# Altium PCB PowerAMP_revision.PcbDoc (part 2 of 4)
Units mm, origin at the board's own origin, x right, y up, seen from the top; angles counter-clockwise.
Board outline 211.5 x 142.58 mm, 2 copper layers (Top Layer, Bottom Layer), stack 1.635 mm thick; 322 components, 226 nets, 1061 pads, 745 vias.
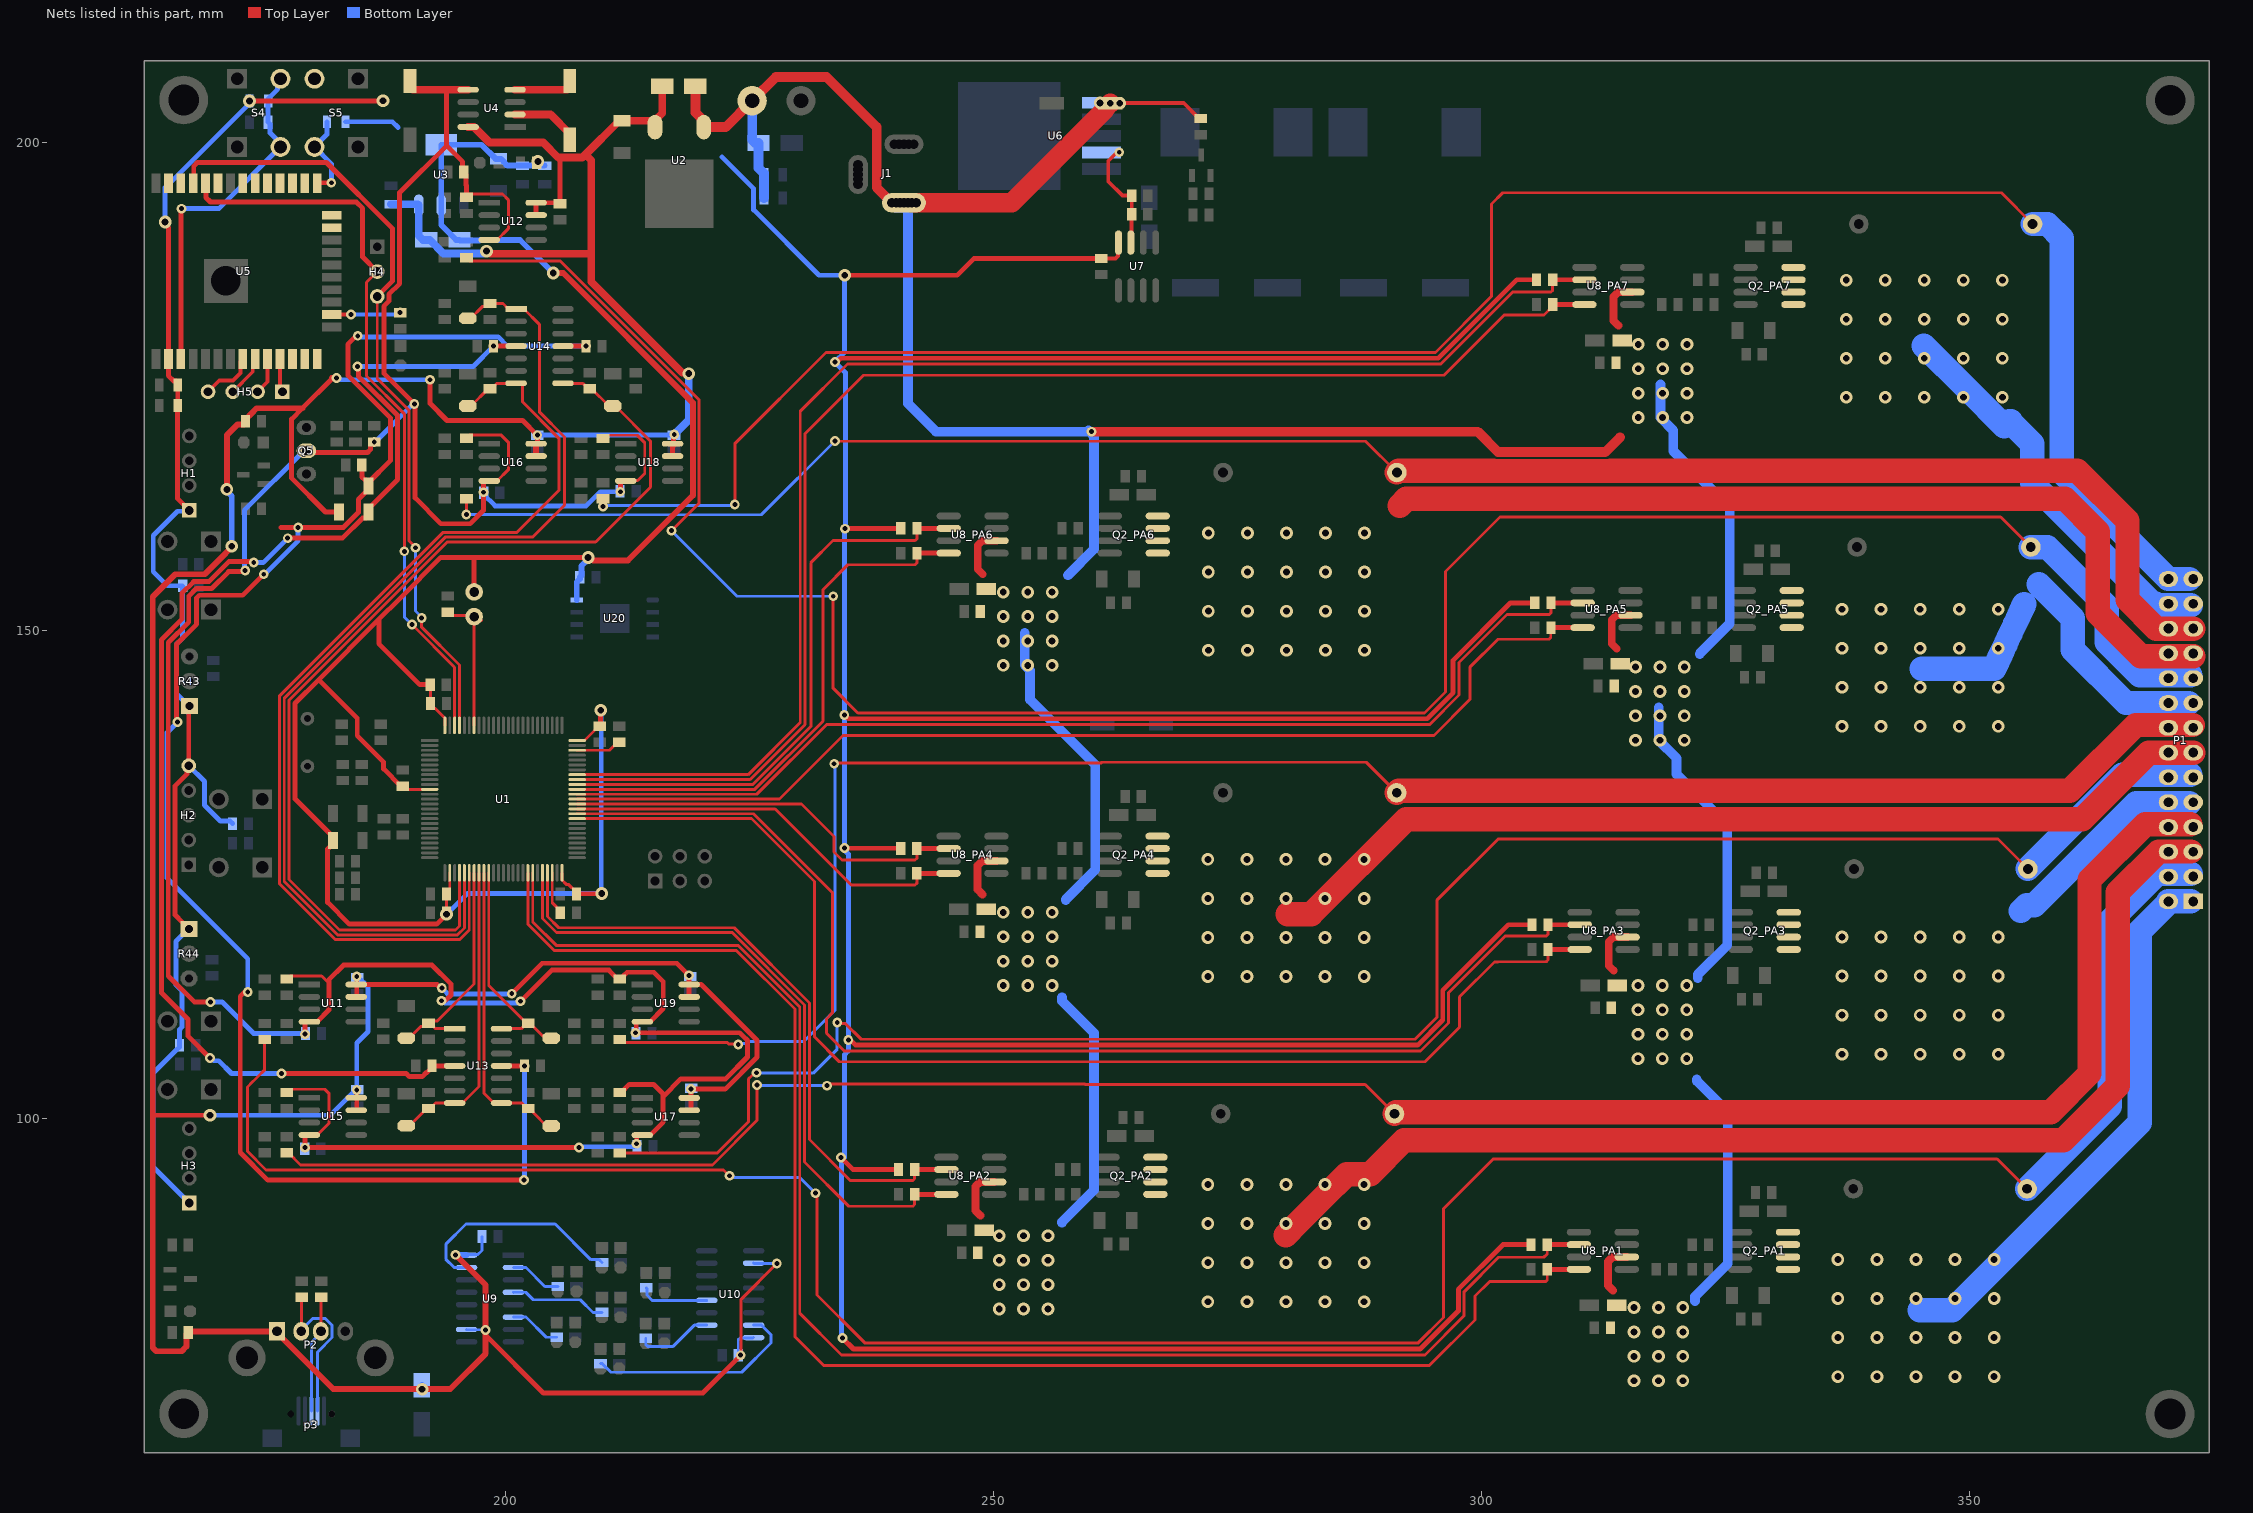
[diagram p2: the nets of this part, all layers, seen from the top]

## Via types
v1: diameter 1.3, hole 0.7, Top Layer to Bottom Layer, tented both sides, 464 vias
v2: diameter 1, hole 0.5, Top Layer to Bottom Layer, tented both sides, 264 vias
v3: diameter 1.27, hole 0.7, Top Layer to Bottom Layer, tented both sides, 17 vias

## Nets (pads, with @x,y where several pads share a name; then routed paths per layer and width w, separated by ;. In a path a pad name is that pad's centre, name@x,y a point inside that pad or via, vN(x,y) a via of type N, cw(c..) or ccw(c..) an arc to the next point about the centre after c; other vN are vias at no path point)
+3v3: C11.2 C14.2 C15.2 C16.2 C17.2 C24.2 C25.1 C50.1 C51.1 C53.2 C54.2 C57.2 D2.1 D26.2 H1.1 H2.5 H3.1 JP1.1 L4.1 R7.1 R9_PA1.1 R9_PA2.1 R9_PA3.1 R9_PA4.1 R9_PA5.1 R9_PA6.1 R9_PA7.1 R15.2 R41.1 R42.1 R43.1 R44.1 R47.1 R50.1 R66.2 U1.11 U1.27 U1.50 U1.75 U1.100 U3.2 U3.4 U5.2 U7.8 U20.8 | length 879
  Top Layer w0.3: C17.2@189.475,134.075 189.8,133.75 U1.11@192.25,133.75 ; C14.2@192.3,144.475 192.325,144.45 C25.1@192.325,142.55 192.325,142.375 192.65,142.05 192.8,142.05 193.8,141.05 U1.100@193.8,140.3 ; v1(193.975,120.95) C50.1@193.975,121.125 C15.2@193.975,123.025 194.3,123.35 U1.27@194.3,125.2 ; U1.50@205.8,125.2 205.8,124.45 206.225,124.025 206.45,124.025 207.275,123.2 C24.2@207.275,123.025 ; U1.75@207.35,138.75 208.1,138.75 209.175,139.825 209.175,139.9 209.5,140.225 C16.2@209.675,140.225
  Top Layer w0.4: C11.2@261.025,188.125 262.508,188.125 262.742,188.359 262.742,189.697 U7.8@262.795,189.75
  Top Layer w0.5: v1(165.15,191.85) 165.15,191.634 165.485,191.299 U5.2@165.485,177.825 165.485,176.115 166.025,175.575 166.25,175.575 166.45,175.375 C53.2@166.45,175.15 C54.2@166.45,173.075 166.425,173.05 166.425,163.52 H1.1@167.625,162.32 ; R44.1@167.6,119.455 167.537,119.455 166.961,120.03 166.961,120.094 166.175,120.88 166.175,134.1 167.384,135.309 167.384,135.979 H2.5@167.575,136.17 167.575,142.21 R43.1@167.65,142.285 ; v1(173.8,204.25) 173.812,204.262 187.463,204.262 v1(187.475,204.275) ; 189.19,153.29 187.05,151.15 ; 189.225,153.325 193.4,157.5 ; C17.2@189.475,134.075 189.3,134.075 187.534,135.841 187.534,136.534 184.825,139.243 184.825,141.05 180.887,144.988 ; C14.2@192.3,144.475 191.25,144.475 187.05,148.675 187.05,151.15 ; 193.45,157.5 196.9,157.5 ; v1(193.975,120.95) 192.975,119.95 184.027,119.95 181.8,122.177 181.8,127.637 182.34,128.177 L4.1@182.34,128.527 182.34,128.877 178.45,132.767 178.45,142.55 180.887,144.988 ; JP1.1@196.8,153.97 196.8,157.4 196.9,157.5 ; C24.2@207.275,123.025 207.3,123.05 209.85,123.05 v1(209.875,123.075) ; v1(208.475,157.5) 196.9,157.5 ; C16.2@209.675,140.225 209.725,140.275 209.725,141.8 v1(209.775,141.85) ; v2(233.75,177.515) 233.958,177.515 234.343,177.9 295.55,177.9 303.59,185.94 R9_PA7.1@305.618,185.94 ; v2(234.365,96.053) 235.611,94.807 R9_PA2.1@240.265,94.807 ; v2(234.525,77.55) 235.65,76.425 293.7,76.425 297.6,80.325 297.6,82.549 302.173,87.122 R9_PA1.1@305.055,87.122 ; v2(234.715,141.36) 234.758,141.36 235.143,140.975 294.399,140.975 297.075,143.651 297.075,146.975 302.949,152.849 R9_PA5.1@305.437,152.849 ; v2(234.74,127.75) 234.773,127.717 240.46,127.717 R9_PA4.1@240.493,127.684 ; v1(234.75,186.4) 246.283,186.4 248.008,188.125 C11.2@261.025,188.125 ; v2(234.79,160.45) 234.805,160.465 240.491,160.465 R9_PA6.1@240.507,160.481 ; v2(235.129,108.079) 235.337,108.079 235.865,107.55 293.425,107.55 296,110.125 296,113.175 302.71,119.885 R9_PA3.1@305.136,119.885 R9_PA3.1@305.106,119.855 ; 180.887,144.988 187.05,151.15
  Top Layer w0.6: R66.2@203.2,197.93 203.205,197.93 v1(203.325,198.05) ; v1(204.9,186.625) 205.922,186.625 219.2,173.347 219.2,163.85 212.55,157.2 v1@208.964,157.2
  Bottom Layer w0.5: v1(165.15,191.85) 165.15,195.375 173.8,204.025 v1(173.8,204.25) ; R43.1@167.361,141.646 167.361,141.709 167.936,142.285 R43.1@168.063,142.285 ; H2.5@167.575,136.17 169.187,134.558 169.187,132.135 170.825,130.497 171.825,130.497 172.05,130.272 R7.1@172.05,130.225 ; R44.1@167.6,119.455 167.537,119.455 166.261,118.179 166.261,113.717 166.868,113.11 166.868,109.384 166.625,109.141 R41.1@166.625,107.525 166.625,107.35 166.4,107.125 166.364,107.125 163.936,104.698 163.936,95.073 H3.1@167.625,91.385 ; H1.1@167.625,162.32 167.536,162.231 166.418,162.231 163.936,159.75 163.936,156.038 165.375,154.6 R42.1@166.95,154.6 166.95,149.24 166.311,148.601 166.311,143.56 167.586,142.285 R43.1@167.65,142.285 ; R50.1@183.625,202.127 188.423,202.127 189,201.55 ; v1(193.975,120.95) 196.1,123.075 v1(209.875,123.075) 209.825,123.125 209.825,141.8 v1(209.775,141.85) ; JP1.1@196.998,153.97 JP1.1@197.125,153.97 ; 222.2,198.5 225.425,195.275 225.425,193.1 232.125,186.4 v1(234.75,186.4) 234.75,178.515 v2(233.75,177.515) 234.835,176.43 234.835,160.495 v2(234.79,160.45) ; v2(234.525,77.55) 234.445,77.63 234.445,95.973 v2(234.365,96.053) 234.75,96.053 234.75,106.594 235.125,106.969 235.125,127.132 234.715,127.542 v2@234.715,127.75 ; v2(234.74,127.75) 234.728,127.763 234.728,141.337 234.75,141.36 v2@234.75,160.45
  Bottom Layer w0.6: C51.1@204.025,197.625 R15.2@201.75,197.625 200.201,197.625 199.85,197.976 199.85,198.025 199.55,198.325 D26.2@199.275,198.325 199,198.325 197.55,199.775 U3.4@193.426,199.775 U3.2@193.426,193.575 193.426,191.549 194.95,190.025 D2.1@195.3,190.025 195.364,189.961 197.35,189.961 197.409,190.02 201.505,190.02 v1(204.9,186.625) ; U20.8@207.305,153.155 207.305,154.98 207.625,155.3 C57.2@207.625,155.475 207.8,155.65 207.8,156.636 208.475,157.311 v1(208.475,157.5)
+5: C4.1 C42.1 C47.1 C61.2 C63.2 C65.2 C67.2 C69.2 C71.2 C73.2 D1.1 D2.2 D3.2 D28.2 L5.1 P2.1 R37.2 R39.2 U2.3 U3.3 U4.8 U9.10 U9.16 U10.10 U10.16 U11.7 U11.8 U12.7 U12.8 U15.7 U15.8 U16.7 U16.8 U17.7 U17.8 U18.7 U18.8 U19.7 U19.8 | length 467.3
  Top Layer w0.3: v2(224.1,75.8) 224.15,75.85 224.15,81.525 v2(227.8,85.175)
  Top Layer w0.4: R37.2@167.525,78.125 R37.2@167.635,78.235
  Top Layer w0.5: 163.886,100.375 v1(169.75,100.375) ; v2@182.217,175.779 179.212,172.775 178.1,171.663 178.1,165.628 181.578,162.15 L5.1@182.965,162.15 ; U15.7@184.725,100.885 184.729,100.885 184.775,100.931 v2(184.775,102.95) ; U11.7@184.725,112.49 184.729,112.49 184.775,112.536 U11.8@184.775,113.76 ; U11.8@184.725,113.76 U11.8@184.775,113.76 ; v2(184.775,114.575) U11.8@184.775,113.76 ; v2(192.275,175.7) 192.275,173.275 194.025,171.525 201.775,171.525 v2(203.275,170.025) 203.275,169.191 203.229,169.145 U16.8@203.15,169.145 ; v2(193.489,113.4) 193.354,113.4 192.994,113.76 U11.8@184.775,113.76 ; 197.975,77.825 203.875,71.925 220.225,71.925 v2(224.1,75.8) ; v2@197.975,78.167 v2(197.975,78.375) ; v2(200.65,112.825) 203.765,115.94 217.56,115.94 v2(218.8,114.7) 218.8,113.785 U19.8@218.825,113.76 220.065,113.76 225.775,108.05 225.775,106.325 222.5,103.05 v2(219,103.05) 219,100.921 218.954,100.875 U17.7@218.825,100.875 ; U12.7@203.15,192.56 U12.8@203.15,193.83 205.495,193.83 C61.2@205.6,193.725 205.6,198.272 205.425,198.447 ; U18.7@217.125,167.875 217.125,168.825 217.204,168.904 217.204,170.004 v2(217.3,170.1) ; U19.8@218.8,113.76 218.8,112.515 U19.7@218.825,112.49
  Top Layer w0.6: R37.2@167.525,78.125 167.35,77.95 167.35,76.7 166.85,76.2 164.238,76.2 163.886,76.551 163.886,100.375 163.886,153.487 166.173,155.773 169.218,155.773 171.363,157.919 171.363,157.949 171.975,158.56 v1(171.975,158.65) ; R37.2@167.635,78.235 P2.1@176.605,78.235 176.605,78.085 182.365,72.325 194.349,72.325 197.975,75.951 197.975,77.825 v2@197.975,78.167 ; v1(171.475,164.475) 171.475,170.025 172.55,171.1 173.2,171.1 173.375,171.275 173.375,171.625 173.974,172.224 173.974,172.231 174.518,172.775 179.212,172.775 ; v2@182.217,175.875 v2(182.7,175.875) ; v2(194.885,86.075) 197.975,82.985 v2(197.975,78.375) ; U16.7@203.15,167.875 U16.8@203.15,169.145
  Top Layer w0.8: U4.8@196.187,201.595 196.787,201.595 198.382,200 203.872,200 205.425,198.447 207.873,198.447 208.2,198.775 ; v1(198.075,188.87) 198.21,188.87 198.48,188.6 208.8,188.6 ; U2.3@215.325,201.575 U2.3@215.325,201.886 ; D1.1@215.977,205.837 D1.1@216.064,205.75 216.064,203.004 215.325,202.264 U2.3@215.325,201.886 ; v1(218.779,176.325) 218.683,176.421 218.107,176.421 208.8,185.727 208.8,188.6 ; 208.2,198.775 208.8,198.175 208.8,188.6 ; 208.2,198.775 211.65,202.225 D3.2@211.925,202.225 214.986,202.225 U2.3@215.325,201.886
  Bottom Layer w0.3: U9.10@196.025,78.425 196.05,78.4 197.95,78.4 v2(197.975,78.375) ; U9.16@196.025,86.045 196.082,86.102 197.177,86.102 197.6,86.525 C4.1@197.6,87.925 ; C42.1@223.85,75.8 223.85,77.375 224.018,77.543 225.368,77.543 U10.16@225.425,77.6 ; U10.10@225.425,85.22 225.447,85.198 227.777,85.198 v2(227.8,85.175)
  Bottom Layer w0.5: v1(169.75,100.375) 182.05,100.375 184.625,102.95 v2(184.775,102.95) 184.775,107.768 185.925,108.918 185.925,113.55 184.9,114.575 v2(184.775,114.575) ; v2(182.7,175.875) 182.835,175.875 183.01,175.7 v2(192.275,175.7) ; v2(193.489,113.4) 194.087,112.802 200.627,112.802 v2(200.65,112.825) ; v2(203.275,170.025) 217.225,170.025 v2(217.3,170.1) ; v2(218.8,114.7) 218.825,114.7 C69.2@218.95,114.575 ; v2(219,103.05) 219.05,103.1 C73.2@219.05,103.125
  Bottom Layer w0.6: v1(171.475,164.475) 171.475,164.286 171.975,163.786 v1(171.975,158.65) ; D28.2@191.45,72.725 191.45,72.325 v1(191.475,72.3) ; v2(194.885,86.075) 194.9,86.06 196.01,86.06 U9.16@196.025,86.045
  Bottom Layer w0.8: C47.1@188.3,193.675 191.033,193.675 191.126,193.583 U3.3@191.126,193.575 191.126,190.449 191.55,190.025 192.25,190.025 193.65,188.625 197.695,188.625 197.94,188.87 v1(198.075,188.87) ; v2(217.3,170.1) 218.779,171.579 v1(218.779,176.325)
+5A: C38.2 C58.2 L5.2 U13.4 U14.4 | length 134.7
  Top Layer w0.5: v2(169.75,106.225) 167.5,108.475 167.5,110.175 164.775,112.9 164.775,149.075 166.868,151.168 166.868,153.827 168.065,155.023 169.634,155.023 171.71,157.1 173.744,157.1 173.773,157.071 174.129,157.071 v2(174.225,156.975) ; v2(177.075,104.65) 189.839,104.65 190.164,104.325 191.486,104.325 191.916,104.755 191.98,104.755 192.475,105.25 C58.2@192.475,105.425 U13.4@194.8,105.425 ; v2(177.7,159.475) 183.31,159.475 185.365,161.53 185.715,161.53 185.985,161.8 185.985,162.5 188.95,165.465 188.95,172.065 184.946,176.069 184.946,176.954 v2(184.85,177.05) ; v2(198.775,179.145) U14.4@201.1,179.145
  Bottom Layer w0.5: v2(169.75,106.225) 169.885,106.225 170.156,105.954 170.646,105.954 171.95,104.65 v2(177.075,104.65) ; v2(174.225,156.975) 175.2,156.975 v2(177.7,159.475) ; v2(184.85,177.05) 196.68,177.05 v2(198.775,179.145)
+12: C7.1 C21.1 C26_PA1.1 C26_PA2.1 C26_PA3.1 C26_PA4.1 C26_PA5.1 C26_PA6.1 C26_PA7.1 C27_PA1.1 C27_PA2.1 C27_PA3.1 C27_PA4.1 C27_PA5.1 C27_PA6.1 C27_PA7.1 C52.1 D1.2 D5.2 J1.1 R2.2 T1.2 U2.1 U6.1 U8_PA1.6 U8_PA2.6 U8_PA3.6 U8_PA4.6 U8_PA5.6 U8_PA6.6 U8_PA7.6 | length 377.8
  Top Layer w0.4: C7.1@262.925,203.652 v3(262.925,204.025) 269.475,204.025 271.05,202.45 R2.2@271.225,202.45
  Top Layer w0.8: 248.647,90.108 248.139,90.616 248.139,93.068 248.608,93.537 U8_PA2.6@250.065,93.537 ; 248.875,122.985 248.367,123.493 248.367,125.945 248.836,126.414 U8_PA4.6@250.293,126.414 ; 248.889,155.782 248.381,156.29 248.381,158.742 248.85,159.211 U8_PA6.6@250.307,159.211 ; 313.437,82.423 312.929,82.931 312.929,85.383 313.398,85.852 U8_PA1.6@314.855,85.852 ; 313.518,115.186 313.01,115.694 313.01,118.146 313.479,118.615 U8_PA3.6@314.936,118.615 ; 313.819,148.15 313.311,148.658 313.311,151.11 313.78,151.579 U8_PA5.6@315.237,151.579 ; 314,181.241 313.492,181.749 313.492,184.201 313.961,184.67 U8_PA7.6@315.418,184.67
  Top Layer w1: D1.2@219.464,205.75 219.464,203.071 220.325,202.21 U2.1@220.325,201.575 222.575,201.575 T1.2@225.275,204.275 227.7,206.7 232.9,206.7 238.025,201.575 238.025,195.375 239.479,193.921 239.794,193.921 J1.1@239.794,193.825 ; v2(260.025,170.385) 299.59,170.385 301.672,168.303 312.653,168.303 314.15,169.8
  Top Layer w1.5: J1.1@239.575,193.825 239.794,193.825 J1.1@240.025,193.825 J1.1@240.425,193.825
  Top Layer w2: J1.1@241.625,193.825 J1.1@242.075,193.825 251.851,193.825 261.463,203.437 261.463,203.537 v3(261.952,204.025)
  Bottom Layer w1: T1.2@225.275,204.275 225.275,200.25 225.575,199.95 D5.2@225.925,199.95 225.925,197.4 226.5,196.825 C52.1@226.5,196.7 C21.1@226.5,194.3 ; J1.1@241.225,193.825 241.225,173.275 244.115,170.385 v2@259.829,170.385 ; 253.204,149.784 253.204,146.45 253.745,145.909 253.745,142.93 260.425,136.25 260.425,125.518 257.4,122.493 257.4,122.4 ; 257,89.35 257,89.444 260.275,92.719 260.275,108.791 257,112.066 257,112.45 ; 257.625,155.675 260.3,158.35 260.3,169.914 v2@259.829,170.385 ; v2@259.714,170.5 v2@259.829,170.385 ; v2(260.025,170.385) v2@259.829,170.385 ; 318.119,142.156 318.119,138.775 319.952,136.942 319.952,135.298 325.15,130.1 325.15,117.801 322.125,114.776 322.125,114.425 ; 318.309,175.214 318.309,171.825 319.611,170.523 319.611,168.389 325.4,162.6 325.4,150.714 322.325,147.639 322.325,147.575 ; 321.85,81.35 321.85,81.819 325.2,85.169 325.2,100.71 322.025,103.885 322.025,104.025
  Bottom Layer w2: J1.1@240.025,193.825 J1.1@240.425,193.825 J1.1@240.825,193.825 J1.1@241.225,193.825
  other v1: 315.6,73.175 318.1,73.175 320.6,73.175 315.6,75.675 318.1,75.675 320.6,75.675 315.6,78.175 318.1,78.175 320.6,78.175 250.575,80.525 253.075,80.525 255.575,80.525 315.6,80.675 318.1,80.675 320.6,80.675 250.575,83.025 253.075,83.025 255.575,83.025 250.575,85.525 253.075,85.525 255.575,85.525 250.575,88.025 253.075,88.025 255.575,88.025 315.996,106.166 318.496,106.166 320.996,106.166 315.996,108.666 318.496,108.666 320.996,108.666 315.996,111.166 318.496,111.166 320.996,111.166 251,113.65 253.5,113.65 256,113.65 315.996,113.666 318.496,113.666 320.996,113.666 251,116.15 253.5,116.15 256,116.15 251,118.65 253.5,118.65 256,118.65 251,121.15 253.5,121.15 256,121.15 315.75,138.775 318.25,138.775 320.75,138.775 315.75,141.275 318.25,141.275 320.75,141.275 315.75,143.775 318.25,143.775 320.75,143.775 315.75,146.275 318.25,146.275 320.75,146.275 251,146.45 253.5,146.45 256,146.45 251,148.95 253.5,148.95 256,148.95 251,151.45 253.5,151.45 256,151.45 251,153.95 253.5,153.95 256,153.95 316.025,171.825 318.525,171.825 321.025,171.825 316.025,174.325 318.525,174.325 321.025,174.325 316.025,176.825 318.525,176.825 321.025,176.825 316.025,179.325 318.525,179.325 321.025,179.325
  other v3: 260.9,204.05
-5: C5.2 C60.2 C62.2 C64.2 C66.2 C68.2 C70.2 C72.2 Q5.C R26.2 R27.2 R36.2 R38.2 R40.2 R59.2 R60.2 R65.2 U4.5 U11.4 U12.4 U15.4 U16.4 U17.4 U18.4 U19.4 | length 352.7
  Top Layer w0.3: R36.2@177.6,102.71 177.925,103.035 181.49,103.035 181.95,102.575 181.95,99.57 180.725,98.345 U15.4@179.925,98.345 ; R26.2@177.6,114.315 177.925,114.64 181.185,114.64 181.925,113.9 ; R38.2@196.025,169.7 196.35,170.025 199.575,170.025 200.3,169.3 200.3,166.485 199.15,165.335 U16.4@198.35,165.335 ; R27.2@196.025,194.385 196.35,194.71 199.715,194.71 200.3,194.125 200.3,191.17 199.15,190.02 U12.4@198.35,190.02 ; R60.2@210,169.69 210.325,170.015 213.51,170.015 214.275,169.25 214.275,166.1 213.548,165.373 212.363,165.373 U18.4@212.325,165.335
  Top Layer w0.5: v2(169.8,111.975) 168.133,111.975 165.475,114.633 165.475,148.785 167.568,150.879 167.568,153.537 168.355,154.323 169.923,154.323 171.654,156.054 173.254,156.054 v2(173.35,156.15) ; v2(179.475,108.675) 179.475,109.904 179.521,109.95 U11.4@179.925,109.95 180.725,109.95 181.925,111.15 181.925,113.9 181.925,114.25 183.425,115.75 192.483,115.75 194.439,113.794 194.439,112.689 193.9,112.15 193.505,112.15 v2(193.452,112.096) ; Q5.C@179.625,168.425 179.8,168.25 185.882,168.25 186.175,168.543 R40.2@186.175,169.1 ; U15.4@179.925,98.345 179.521,98.345 179.475,98.299 v2(179.475,97.05) 179.488,97.063 207.537,97.063 v2(207.55,97.075) ; 193.975,205.405 193.975,199.675 ; R27.2@196.025,194.385 196.025,195.61 195.975,195.66 195.975,196.75 195.62,197.105 195.62,198.03 193.975,199.675 ; U16.4@198.35,165.335 197.821,165.335 197.775,165.289 197.775,164.2 v2(197.75,164.175) 197.75,162.306 196.394,160.95 193.4,160.95 190.75,163.6 190.75,173.15 187.55,176.35 187.55,183.214 188.075,183.739 188.075,184.446 189.175,185.546 189.175,194.875 193.975,199.675 ; v2(201.561,112.044) 204.757,115.24 210.6,115.24 211.525,114.315 211.875,114.315 212.1,114.54 212.1,114.639 212.473,115.013 215.212,115.013 216.175,114.05 216.175,111.3 214.825,109.95 U19.4@214.025,109.95 213.446,109.95 213.4,109.904 213.4,108.9 v2(213.325,108.825) 224.01,108.825 224.28,108.555 224.8,108.035 224.8,106.34 222.56,104.1 217.975,104.1 216.15,102.275 ; R59.2@211.7,102.7 211.875,102.7 212.7,103.525 215.175,103.525 216.15,102.55 216.15,102.275 ; v2(211.775,164.225) 211.775,165.289 211.821,165.335 U18.4@212.325,165.335 ; v2(213.425,97.45) 213.45,97.475 213.45,98.289 213.496,98.335 U17.4@214.025,98.335 214.825,98.335 216.15,99.66 216.15,102.275
  Top Layer w0.8: C5.2@190.225,206.297 190.225,205.697 190.518,205.405 193.975,205.405 U4.5@196.187,205.405
  Bottom Layer w0.5: v2(169.8,111.975) 170.975,111.975 174.2,108.75 179.4,108.75 v2(179.475,108.675) 179.525,108.725 C70.2@179.525,108.75 ; v2(173.35,156.15) 173.275,156.225 173.275,162.325 179.375,168.425 Q5.C@179.625,168.425 ; C68.2@179.45,96.925 179.475,96.95 v2(179.475,97.05) ; v2(186.575,169.325) 186.675,169.325 190.575,173.225 v2(190.675,173.225) ; v2(193.452,112.096) 193.587,112.096 193.808,111.875 201.257,111.875 201.426,112.044 v2(201.561,112.044) ; C62.2@197.75,164.325 v2(197.75,164.175) ; C62.2@197.775,164.2 v2(197.75,164.175) ; v2(207.55,97.075) 207.613,97.138 213.25,97.138 213.425,97.313 v2(213.425,97.45) ; C60.2@211.75,164.275 211.775,164.25 v2(211.775,164.225) 209.725,164.225 208.275,162.775 198.95,162.775 197.75,163.975 v2(197.75,164.175) ; v2(213.325,108.825) C64.2@213.375,108.775
-5A: C35.2 C39.2 C59.2 L6.2 U13.11 U14.11 | length 178.7
  Top Layer w0.5: v2(166.425,140.65) 166.386,140.65 166.311,140.725 166.311,148.586 168.381,150.656 168.381,153.36 168.645,153.623 173.098,153.623 v2(175.25,155.775) ; v2(173.609,112.991) 173.567,112.95 173.25,112.95 172.85,112.55 172.85,96.551 175.676,93.725 v2(201.9,93.725) ; 177,160.575 v2(178.775,160.575) 183.42,160.575 184.955,162.11 184.955,163.445 185.985,164.475 L6.2@185.985,164.825 L6.2@185.985,165.175 ; v2(184.875,180.2) 184.74,180.2 183.875,179.335 183.875,176.15 188.225,171.8 188.225,167.415 L6.2@185.985,165.175 ; C35.2@185.3,166.975 185.3,165.738 185.593,165.445 185.715,165.445 L6.2@185.985,165.175 ; U13.11@199.6,105.425 v2(201.95,105.425) ; U14.11@205.9,179.145 v2(208.25,179.145)
  Bottom Layer w0.5: v2(166.425,140.65) 165.35,139.575 165.35,124.651 173.609,116.393 v2(173.609,112.991) ; v2(175.25,155.775) 175.344,155.775 178.775,159.206 v2(178.775,160.575) ; v2@185.334,180.095 199.255,180.095 200.205,179.145 v2(208.25,179.145) ; v2(201.9,93.725) 201.95,93.775 v2(201.95,105.425)
ADC1: D4.2 R19.1 U1.32 U13.1 | length 23.4
  Top Layer w0.3: D4.2@189.85,108.265 190.125,108.265 191.325,109.465 191.8,109.465 R19.1@192.125,109.79 R19.1@192.3,109.79 ; U13.1@194.8,109.235 192.855,109.235 R19.1@192.3,109.79 ; U1.32@196.8,125.2 196.8,113.8 193.038,110.038 192.548,110.038 R19.1@192.3,109.79
ADC2: D9.2 R29.1 U1.33 U13.7 | length 31
  Top Layer w0.3: D9.2@189.85,99.285 190.175,99.285 191.95,101.06 R29.1@192.125,101.06 192.3,101.06 192.855,101.615 U13.7@194.8,101.615 195.6,101.615 197.3,103.315 U1.33@197.3,125.2
ADC3: D11.2 R52.1 U1.34 U13.8 | length 31
  Top Layer w0.3: U1.34@197.8,125.2 197.8,102.615 198.8,101.615 U13.8@199.6,101.615 201.674,101.615 201.85,101.439 201.85,101.375 202.175,101.05 202.525,101.05 202.85,100.725 202.85,100.643 204.218,99.275 D11.2@204.7,99.275
ADC4: D13.2 R62.1 U1.35 U13.14 | length 23
  Top Layer w0.3: U1.35@198.3,125.2 198.3,113.665 R62.1@202.175,109.79 ; U13.14@199.6,109.235 201.62,109.235 R62.1@202.175,109.79 ; D13.2@204.7,108.265 204.462,108.503 203.812,108.503 202.525,109.79 R62.1@202.35,109.79 R62.1@202.175,109.79
ADC5: D8.2 R21.1 U1.30 U14.1 | length 110.7
  Top Layer w0.3: U1.30@195.8,125.2 195.8,119.557 195.093,118.85 183.732,118.85 182.809,118.85 177.35,124.309 177.35,143.084 193.841,159.575 202.775,159.575 206.05,162.85 206.05,169.85 203.475,172.425 203.475,181.38 201.9,182.955 U14.1@201.1,182.955 200.3,182.955 199.745,183.51 R21.1@198.425,183.51 198.1,183.185 197.625,183.185 196.425,181.985 D8.2@196.15,181.985
ADC6: D10.2 R31.1 U1.31 U14.7 | length 103.6
  Top Layer w0.3: D10.2@196.15,173.005 196.475,173.005 198.25,174.78 R31.1@198.425,174.78 198.6,174.78 199.155,175.335 U14.7@201.1,175.335 201.611,175.335 201.75,175.196 201.75,173.443 205.475,169.718 205.475,164.35 201.2,160.075 193.634,160.075 176.85,143.291 176.85,124.102 182.602,118.35 183.525,118.35 195.3,118.35 196.3,119.35 U1.31@196.3,125.2
ADC7: D12.2 R54.1 U1.29 U14.8 | length 105.8
  Top Layer w0.3: U1.29@195.3,125.2 195.3,119.764 194.886,119.35 183.016,119.35 177.85,124.516 177.85,142.877 194.048,159.075 209.25,159.075 214.875,164.7 214.875,169.405 211.275,173.005 D12.2@211,173.005 210.6,173.005 208.825,174.78 R54.1@208.65,174.78 208.475,174.78 207.92,175.335 U14.8@205.9,175.335
Boot0: JP1.2 R8.2 U1.94 | length 14.6
  Top Layer w0.3: R8.2@194.1,151.9 194.425,151.575 196.655,151.575 JP1.2@196.8,151.43 U1.94@196.8,140.3 ; JP1.2@197.125,151.43 JP1.2@197.534,151.021
C1+: C6.1 U4.2 | length 7
  Top Layer w0.8: U4.2@200.987,202.865 204.633,202.865 206.6,200.897 C6.1@206.6,200.297
C1-: C6.2 U4.4 | length 6.3
  Top Layer w0.8: U4.4@200.987,205.405 206.308,205.405 206.6,205.697 C6.2@206.6,206.297
CAP1: C23.1 U1.48 | length 4.4
  Top Layer w0.3: U1.48@204.8,125.2 204.8,122.125 205.625,121.3 C23.1@205.625,121.125
CAP2: C22.1 U1.73 | length 4.7
  Top Layer w0.3: U1.73@207.35,137.75 210.675,137.75 211.5,138.575 C22.1@211.675,138.575
clk_n1: R9_PA1.2 U1.44 U8_PA1.2 | length 155.6
  Top Layer w0.3: U1.44@202.8,125.2 202.8,120.175 205.2,117.775 223.836,117.775 230.15,111.461 230.15,80.1 234.425,75.825 294.175,75.825 298.2,79.85 298.2,82.3 301.725,85.825 306.36,85.825 306.705,86.17 R9_PA1.2@306.705,87.122
  Top Layer w0.5: R9_PA1.2@306.705,87.122 U8_PA1.2@309.955,87.122
clk_n2: R9_PA2.2 U1.47 U8_PA2.2 | length 65.7
  Top Layer w0.3: U1.47@204.3,125.2 204.3,120.732 205.457,119.575 223.45,119.575 231.15,111.875 231.15,97.875 235.325,93.7 241.739,93.7 241.915,93.876 R9_PA2.2@241.915,94.807
  Top Layer w0.5: R9_PA2.2@241.915,94.807 U8_PA2.2@245.165,94.807
clk_n3: R9_PA3.2 U1.60 U8_PA3.2 | length 129.8
  Top Layer w0.3: U1.60@207.35,131.25 225.407,131.25 233.525,123.132 233.525,110.887 232.875,110.237 232.875,108.775 234.7,106.95 293.732,106.95 296.6,109.818 296.6,112.926 302.399,118.725 306.61,118.725 306.786,118.901 R9_PA3.2@306.786,119.885
  Top Layer w0.5: R9_PA3.2@306.786,119.885 U8_PA3.2@310.036,119.885
clk_n4: R9_PA4.2 U1.62 U8_PA4.2 | length 42.5
  Top Layer w0.3: U1.62@207.35,132.25 230.343,132.25 233.66,128.933 233.66,127.318 234.478,126.5 241.967,126.5 242.143,126.676 R9_PA4.2@242.143,127.684
  Top Layer w0.5: R9_PA4.2@242.143,127.684 U8_PA4.2@245.393,127.684
clk_n5: R9_PA5.2 U1.64 U8_PA5.2 | length 113.7
  Top Layer w0.3: U1.64@207.35,133.25 225.75,133.25 232.875,140.375 294.647,140.375 297.675,143.403 297.675,146.726 302.599,151.65 306.911,151.65 307.087,151.826 R9_PA5.2@307.087,152.849
  Top Layer w0.5: R9_PA5.2@307.087,152.849 U8_PA5.2@310.337,152.849
clk_n6: R9_PA6.2 U1.66 U8_PA6.2 | length 59.4
  Top Layer w0.3: U1.66@207.35,134.25 225.336,134.25 231.28,140.195 231.28,156.948 233.557,159.225 241.975,159.225 242.157,159.407 R9_PA6.2@242.157,160.481
  Top Layer w0.5: R9_PA6.2@242.157,160.481 U8_PA6.2@245.407,160.481
clk_n7: R9_PA7.2 U1.68 U8_PA7.2 | length 143.5
  Top Layer w0.3: U1.68@207.35,135.25 224.868,135.25 230.2,140.582 230.2,172.468 235.032,177.3 235.7,177.3 267.014,177.3 295.799,177.3 303.174,184.675 307.092,184.675 307.268,184.851 R9_PA7.2@307.268,185.94
  Top Layer w0.5: R9_PA7.2@307.268,185.94 U8_PA7.2@310.518,185.94
clk_p1: R13_PA1.1 U1.43 U8_PA1.4 | length 157.4
  Top Layer w0.3: U1.43@202.3,125.2 202.3,119.968 205.04,117.228 223.676,117.228 229.65,111.254 229.65,77.682 232.607,74.725 294.631,74.725 299.3,79.394 299.3,81.844 300.783,83.327 306.529,83.327 306.705,83.503 R13_PA1.1@306.705,84.582
  Top Layer w0.5: R13_PA1.1@306.705,84.582 U8_PA1.4@309.955,84.582
clk_p2: R13_PA2.1 U1.46 U8_PA2.4 | length 68.8
  Top Layer w0.3: U1.46@203.8,125.2 203.8,120.525 205.25,119.075 223.243,119.075 230.65,111.668 230.65,95.575 235.175,91.05 241.739,91.05 241.915,91.226 R13_PA2.1@241.915,92.267
  Top Layer w0.5: R13_PA2.1@241.915,92.267 U8_PA2.4@245.165,92.267
clk_p3: R13_PA3.1 U1.59 U8_PA3.4 | length 129.5
  Top Layer w0.3: U1.59@207.35,130.75 225.2,130.75 231.65,124.3 231.65,108.4 234.2,105.85 294.188,105.85 297.725,109.387 297.725,112.496 301.304,116.075 301.677,116.075 301.692,116.09 306.61,116.09 306.786,116.266 R13_PA3.1@306.786,117.345
  Top Layer w0.5: R13_PA3.1@306.786,117.345 U8_PA3.4@310.036,117.345
clk_p4: R13_PA4.1 U1.61 U8_PA4.4 | length 42.4
  Top Layer w0.3: U1.61@207.35,131.75 227.632,131.75 235.432,123.95 241.967,123.95 242.143,124.126 R13_PA4.1@242.143,125.144
  Top Layer w0.5: R13_PA4.1@242.143,125.144 U8_PA4.4@245.393,125.144
clk_p5: R13_PA5.1 U1.63 U8_PA5.4 | length 112.8
  Top Layer w0.3: U1.63@207.35,132.75 228.068,132.75 234.593,139.275 295.103,139.275 298.775,142.947 298.775,146.25 301.65,149.125 306.892,149.125 307.068,149.301 307.068,150.29 R13_PA5.1@307.087,150.309
  Top Layer w0.5: R13_PA5.1@307.087,150.309 U8_PA5.4@310.337,150.309
clk_p6: R13_PA6.1 U1.65 U8_PA6.4 | length 56.5
  Top Layer w0.3: U1.65@207.35,133.75 225.543,133.75 232.525,140.732 232.525,154.2 235.075,156.75 241.956,156.75 242.157,156.951 R13_PA6.1@242.157,157.941
  Top Layer w0.5: R13_PA6.1@242.157,157.941 U8_PA6.4@245.407,157.941
clk_p7: R13_PA7.1 U1.67 U8_PA7.4 | length 140.9
  Top Layer w0.3: U1.67@207.35,134.75 225.075,134.75 230.7,140.375 230.7,170.175 236.689,176.164 296.139,176.164 302.3,182.325 306.368,182.325 307.268,183.225 R13_PA7.1@307.268,183.4
  Top Layer w0.5: R13_PA7.1@307.268,183.4 U8_PA7.4@310.518,183.4
coilH1: P1.1 P1.2 Q2_PA1.5 Q2_PA1.6 Q2_PA1.7 Q2_PA1.8 | length 56.6
  Bottom Layer w2.5: 344.864,80.384 348.184,80.384 367.411,99.611 367.411,119.211 370.332,122.132 P1.2@370.332,122.271 P1.1@372.6,122.271
  other v1: 336.475,73.6 340.475,73.6 344.475,73.6 348.475,73.6 352.475,73.6 336.475,77.6 340.475,77.6 344.475,77.6 348.475,77.6 352.475,77.6 336.475,81.6 340.475,81.6 344.475,81.6 348.475,81.6 352.475,81.6 336.475,85.6 340.475,85.6 344.475,85.6 348.475,85.6 352.475,85.6
coilH2: P1.5 P1.6 Q2_PA2.5 Q2_PA2.6 Q2_PA2.7 Q2_PA2.8 | length 120.6
  Top Layer w2.5: 279.906,88.069 281.178,89.342 283.678,91.842 286.178,94.342 288.561,94.342 292.041,97.822 359.569,97.822 365.158,103.411 365.158,123.215 369.324,127.381 P1.5@372.618,127.381
  other v1: 271.95,81.275 275.95,81.275 279.95,81.275 283.95,81.275 287.95,81.275 271.95,85.275 275.95,85.275 279.95,85.275 283.95,85.275 287.95,85.275 271.95,89.275 275.95,89.275 279.95,89.275 283.95,89.275 287.95,89.275 271.95,93.275 275.95,93.275 279.95,93.275 283.95,93.275 287.95,93.275
coilH3: P1.9 P1.10 Q2_PA3.5 Q2_PA3.6 Q2_PA3.7 Q2_PA3.8 | length 21.7
  Bottom Layer w2.5: 355.219,121.285 355.831,121.897 356.593,121.897 367.03,132.334 P1.10@370.235,132.334 ; P1.10@370.413,132.35 P1.9@372.475,132.35
  other v1: 336.9,106.625 340.9,106.625 344.9,106.625 348.9,106.625 352.9,106.625 336.9,110.625 340.9,110.625 344.9,110.625 348.9,110.625 352.9,110.625 336.9,114.625 340.9,114.625 344.9,114.625 348.9,114.625 352.9,114.625 336.9,118.625 340.9,118.625 344.9,118.625 348.9,118.625 352.9,118.625
coilH4: P1.13 P1.14 Q2_PA4.5 Q2_PA4.6 Q2_PA4.7 Q2_PA4.8 | length 99.6
  Top Layer w2.5: 280.134,120.946 282.517,120.946 292.269,130.699 361.492,130.699 368.304,137.511 P1.14@370.332,137.511 P1.13@372.872,137.511
  other v1: 271.95,114.575 275.95,114.575 279.95,114.575 283.95,114.575 287.95,114.575 271.95,118.575 275.95,118.575 279.95,118.575 283.95,118.575 287.95,118.575 271.95,122.575 275.95,122.575 279.95,122.575 283.95,122.575 287.95,122.575 271.95,126.575 275.95,126.575 279.95,126.575 283.95,126.575 287.95,126.575
coilH5: P1.17 P1.18 Q2_PA5.5 Q2_PA5.6 Q2_PA5.7 Q2_PA5.8 | length 37
  Bottom Layer w2.5: 345.078,146.111 352.49,146.111 353.21,147.664 353.359,147.987 353.652,148.618 354.163,149.722 354.605,150.676 355.559,152.734 ; 357.06,154.749 360.54,151.269 360.54,148.035 365.984,142.591 P1.17@372.425,142.591
  other v1: 336.9,140.2 340.9,140.2 344.9,140.2 348.9,140.2 352.9,140.2 336.9,144.2 340.9,144.2 344.9,144.2 348.9,144.2 352.9,144.2 336.9,148.2 340.9,148.2 344.9,148.2 348.9,148.2 352.9,148.2 336.9,152.2 340.9,152.2 344.9,152.2 348.9,152.2 352.9,152.2
coilH6: P1.21 P1.22 Q2_PA6.5 Q2_PA6.6 Q2_PA6.7 Q2_PA6.8 | length 93.2
  Top Layer w2.5: 291.592,162.814 292.274,163.496 359.736,163.496 363.1,160.132 363.1,151.775 367.475,147.4 370.332,147.4 P1.21@372.9,147.4
  other v1: 272,148 276,148 280,148 284,148 288,148 272,152 276,152 280,152 284,152 288,152 272,156 276,156 280,156 284,156 288,156 272,160 276,160 280,160 284,160 288,160
coilH7: P1.25 P1.26 Q2_PA7.5 Q2_PA7.6 Q2_PA7.7 Q2_PA7.8 | length 40.6
  Bottom Layer w2.5: 345.259,179.202 349.761,174.701 353.511,170.951 ; 354.01,171.45 354.076,171.45 ; 354.203,171.45 354.076,171.45 ; P1.25@372.618,152.591 369.214,152.591 369.054,152.751 368.711,152.751 356.362,165.1 356.362,169.164 354.076,171.45
  other v1: 337.325,173.9 341.325,173.9 345.325,173.9 349.325,173.9 353.325,173.9 337.325,177.9 341.325,177.9 345.325,177.9 349.325,177.9 353.325,177.9 337.325,181.9 341.325,181.9 345.325,181.9 349.325,181.9 353.325,181.9 337.325,185.9 341.325,185.9 345.325,185.9 349.325,185.9 353.325,185.9
coilL1: P1.3 P1.4 R14_PA1.2 R22.2 | length 265.4
  Top Layer w0.3: R22.2@175.35,108.125 175.35,105.025 174.625,104.3 174.613,104.3 173.85,103.537 173.85,103.525 173.575,103.25 173.575,96.675 175.475,94.775 222.35,94.775 v2(222.95,94.175) ; v2(231.763,92.388) 231.925,92.225 231.925,81.957 236.857,77.025 293.451,77.025 296.075,79.649 296.075,90.8 301.175,95.9 352.792,95.9 R14_PA1.2@355.855,92.837
  Bottom Layer w0.3: v2(222.95,94.175) 223.084,94.041 223.41,94.041 223.476,93.975 230.175,93.975 v2(231.763,92.388)
  Bottom Layer w2.5: R14_PA1.2@355.855,92.837 364.325,101.307 364.325,120.231 369.189,125.095 P1.3@372.6,125.095
coilL2: P1.7 P1.8 R14_PA2.2 R32.2 | length 226.3
  Top Layer w0.3: R32.2@177.6,96.52 177.775,96.52 179.02,95.275 221.2,95.275 225.775,99.85 v2(225.775,103.475) ; v2(232.95,103.4) 233.135,103.585 259.33,103.585 259.39,103.525 288.062,103.525 R14_PA2.2@291.065,100.522
  Top Layer w2.5: R14_PA2.2@291.065,100.522 291.218,100.675 358.275,100.675 362.25,104.65 362.25,124.475 367.95,130.175 P1.7@372.588,130.175
  Bottom Layer w0.3: v2(225.775,103.475) 225.85,103.4 v2(232.95,103.4)
coilL3: P1.11 P1.12 R14_PA3.2 R55.2 | length 192.2
  Top Layer w0.3: R55.2@211.7,96.51 221.71,96.51 224.9,99.7 224.9,104.1 225.253,104.453 225.264,104.453 225.536,104.725 v2(225.725,104.725) ; v2(233.986,109.88) 234.087,109.78 234.82,109.78 236.45,108.15 293.176,108.15 295.4,110.374 295.4,122.382 301.681,128.663 352.873,128.663 R14_PA3.2@355.936,125.6
  Bottom Layer w0.3: v2(225.725,104.725) 225.775,104.675 231.525,104.675 233.986,107.136 v2(233.986,109.88)
  Bottom Layer w2.5: R14_PA3.2@355.936,125.6 365.591,135.255 P1.11@372.588,135.255
coilL4: P1.15 P1.16 R14_PA4.2 R63.2 | length 192.4
  Top Layer w0.3: R63.2@211.7,108.125 212.025,107.8 222.75,107.8 222.9,107.65 223.805,107.65 v2(223.85,107.605) ; v2(233.675,136.375) 233.762,136.462 261.028,136.462 261.091,136.525 288.167,136.525 R14_PA4.2@291.293,133.399
  Top Layer w2.5: R14_PA4.2@291.293,133.399 291.494,133.6 360.225,133.6 366.966,140.341 P1.15@372.825,140.341
  Bottom Layer w0.3: v2(223.85,107.605) 223.984,107.739 224.764,107.739 224.95,107.925 230.563,107.925 233.755,111.117 233.755,136.295 v2(233.675,136.375)
coilL5: P1.19 P1.20 R14_PA5.2 R23.2 | length 237.7
  Top Layer w0.3: R23.2@196.025,188.195 196.35,187.87 198.15,187.87 198.17,187.85 205.617,187.85 219.85,173.617 219.85,163.086 v2(217.007,160.243) ; v2(233.575,153.525) 233.575,144.1 236.1,141.575 294.15,141.575 296.3,143.725 296.3,156.075 301.875,161.65 353.151,161.65 R14_PA5.2@356.237,158.564
  Bottom Layer w0.3: v2(217.007,160.243) 223.725,153.525 v2(233.575,153.525)
  Bottom Layer w2.5: R14_PA5.2@356.237,158.564 357.945,158.564 364,152.509 364,148.826 367.411,145.415 P1.19@372.588,145.415
coilL6: P1.23 P1.24 R14_PA6.2 R33.2 | length 194.5
  Top Layer w0.3: v2(196,161.9) 196,163.485 R33.2@196.025,163.51 ; v2(233.75,169.425) 233.775,169.4 288.103,169.4 R14_PA6.2@291.307,166.196
  Top Layer w2.5: R14_PA6.2@291.307,166.196 291.511,166.4 301.174,166.4 301.221,166.353 313.19,166.353 313.237,166.4 361,166.4 366.141,161.259 366.141,153.17 369.1,150.211 P1.24@370.332,150.211 P1.23@372.872,150.211
  Bottom Layer w0.3: v2(196,161.9) 203.325,161.9 203.35,161.875 226.2,161.875 v2(233.75,169.425)
coilL7: P1.27 P1.28 R14_PA7.2 R56.2 | length 216.2
  Top Layer w0.3: v2(210,162.725) R56.2@210,163.51 ; v2(223.5,162.925) 223.5,169.15 232.85,178.5 295.25,178.5 301,184.25 301,193.7 302.15,194.85 353.223,194.85 R14_PA7.2@356.418,191.655
  Bottom Layer w0.3: v2(210,162.725) 210.1,162.825 223.4,162.825 v2(223.5,162.925)
  Bottom Layer w2.5: R14_PA7.2@356.418,191.655 357.946,191.655 359.41,190.191 359.41,166.213 P1.28@370.332,155.291 P1.27@372.475,155.291
D+: P2.3 p3.3 R49.1 | length 12.1
  Top Layer w0.3: P2.3@181.105,78.235 181.105,81.68 R49.1@181.15,81.725
  Bottom Layer w0.3: p3.3@180.125,70.075 180.125,77.105 181.105,78.085 P2.3@181.105,78.235
D-: P2.2 p3.2 R48.1 | length 17
  Top Layer w0.3: P2.2@179.105,78.235 179.105,81.68 R48.1@179.15,81.725
  Bottom Layer w0.3: P2.2@179.105,78.235 179.105,78.385 180.255,79.535 181.581,79.535 182.255,78.861 182.255,77.609 180.775,76.129 p3.2@180.775,70.075
EN: C55.2 R47.2 S4.2 U5.3 | length 36.2
  Top Layer w0.5: U5.3@166.755,177.825 166.79,177.86 166.79,193.19 v2(166.825,193.225)
  Bottom Layer w0.5: v2(166.825,193.225) 170.651,193.225 S4.2@176.973,199.546 176.973,199.899 175.9,200.971 175.9,201.877 C55.2@175.7,202.077 R47.2@175.7,204.25 175.7,204.475 176.679,205.454 176.679,206.238 S4.2@176.973,206.531
ESP_IO0: R50.2 S5.2 U5.25 | length 9
  Top Layer w0.5: U5.25@180.725,195.825 180.775,195.875 v2(182.175,195.875)
  Bottom Layer w0.5: R50.2@181.725,202.127 181.725,200.819 S5.2@180.452,199.546 182.175,197.824 v2(182.175,195.875)
ESP_IO2: U5.24
ESP_IO4: U5.26
ESP_IO5: U5.29
ESP_IO12: U5.14
ESP_IO13: R67.2 U5.16 | length 7.1
  Top Layer w0.4: U5.16@182.225,182.38 182.228,182.377 184.198,182.377 v2(184.2,182.375)
  Bottom Layer w0.4: v2(184.2,182.375) 188.863,182.375 189.063,182.575 v2(189.225,182.575)
ESP_IO14: U5.13
ESP_IO15: U5.23
ESP_IO16: U5.27
ESP_IO17: U5.28
ESP_IO18: U5.30
ESP_IO19: U5.31
ESP_IO21: U5.33
ESP_IO22: U5.36
ESP_IO23: U5.37
ESP_IO25: H5.2 U5.10 | length 3.8
  Top Layer w0.4: H5.2@174.625,174.475 175.645,175.495 U5.10@175.645,177.825
ESP_IO26: H5.1 U5.11 | length 3.5
  Top Layer w0.4: U5.11@176.915,177.825 176.915,174.725 H5.1@177.165,174.475
ESP_IO27: U5.12
ESP_IO32: H5.4 U5.8 | length 5.6
  Top Layer w0.4: H5.4@169.545,174.475 170.695,175.625 172.1,175.625 172.855,176.38 172.855,177.575 U5.8@173.105,177.825
ESP_IO33: H5.3 U5.9 | length 4.3
  Top Layer w0.4: H5.3@172.085,174.475 174.125,176.515 174.125,177.575 U5.9@174.375,177.825
ESP_RXD0: H4.2 U1.98 U5.34 | length 75.8
  Top Layer w0.3: H4.2@186.875,186.776 185.775,185.676 185.775,176.088 189.65,172.213 v2(189.65,158.125) ; v2(190.425,150.625) 194.8,146.25 U1.98@194.8,140.3
  Top Layer w0.5: U5.34@169.295,195.825 169.332,195.788 169.332,194.368 169.8,193.9 184.736,193.9 185.375,193.261 185.375,188.276 H4.2@186.875,186.776
  Bottom Layer w0.3: v2(189.65,158.125) 189.65,151.4 v2(190.425,150.625)
ESP_TXD0: H4.3 U1.97 U5.35 | length 80.1
  Top Layer w0.3: H4.3@186.875,184.236 186.875,175.823 190.15,172.548 190.15,159.187 190.794,158.543 v2(190.794,158.488) ; v2(191.425,151.3) 191.425,150.35 195.3,146.475 U1.97@195.3,140.3
  Top Layer w0.5: U5.35@168.025,195.825 168.08,195.88 168.08,197.58 168.45,197.95 181.676,197.95 188.425,191.201 188.425,185.786 H4.3@186.875,184.236
  Bottom Layer w0.3: v2(190.794,158.488) 190.794,152.012 191.425,151.381 v2(191.425,151.3)
FB: C10.2 R5.1 U6.4 U7.7 | length 11.4
  Top Layer w0.4: v2(262.875,199) 262.65,199 261.75,198.1 261.75,196.025 263.225,194.55 R5.1@264.15,194.55 C10.2@264.15,192.65 264.107,192.608 264.107,189.793 U7.7@264.065,189.75
G_led1: R17_L1.2 U9.2 | length 5.4
  Bottom Layer w0.3: U9.2@200.825,84.775 200.83,84.77 202.1,84.77 204.041,82.829 R17_L1.2@205.375,82.829
G_led2: R17_L2.2 U9.15 | length 22.5
  Bottom Layer w0.3: U9.15@196.025,84.775 194.755,84.775 193.9,85.63 193.9,87.15 195.975,89.225 205.1,89.225 208.75,85.575 209.604,85.575 R17_L2.2@209.9,85.279
G_led3: R17_L3.2 U10.4 | length 7.1
  Bottom Layer w0.3: R17_L3.2@214.425,82.704 214.495,82.633 214.495,81.955 215.04,81.41 U10.4@220.625,81.41
G_led4: R17_L4.2 U9.4 | length 9.9
  Bottom Layer w0.3: U9.4@200.825,82.235 200.83,82.24 202.09,82.24 202.855,81.475 207.675,81.475 208.971,80.179 R17_L4.2@209.9,80.179
G_led5: R17_L5.2 U10.2 | length 7.9
  Bottom Layer w0.3: R17_L5.2@214.375,77.529 214.375,76.901 214.572,76.704 217.189,76.704 219.355,78.87 U10.2@220.625,78.87
G_led6: R17_L6.2 U10.15 | length 22.1
  Bottom Layer w0.3: R17_L6.2@209.75,74.929 209.925,74.929 210.804,74.05 224.218,74.05 227.2,77.032 227.2,77.895 226.225,78.87 U10.15@225.425,78.87
G_led7: R17_L7.2 U9.6 | length 5.3
  Bottom Layer w0.3: U9.6@200.825,79.695 202.115,79.695 204.181,77.629 R17_L7.2@205.25,77.629